# Allegro board T736_DEMO_CORE_AXP8191_LP4_4X_32X1_V0_5-draft.brd (continued)
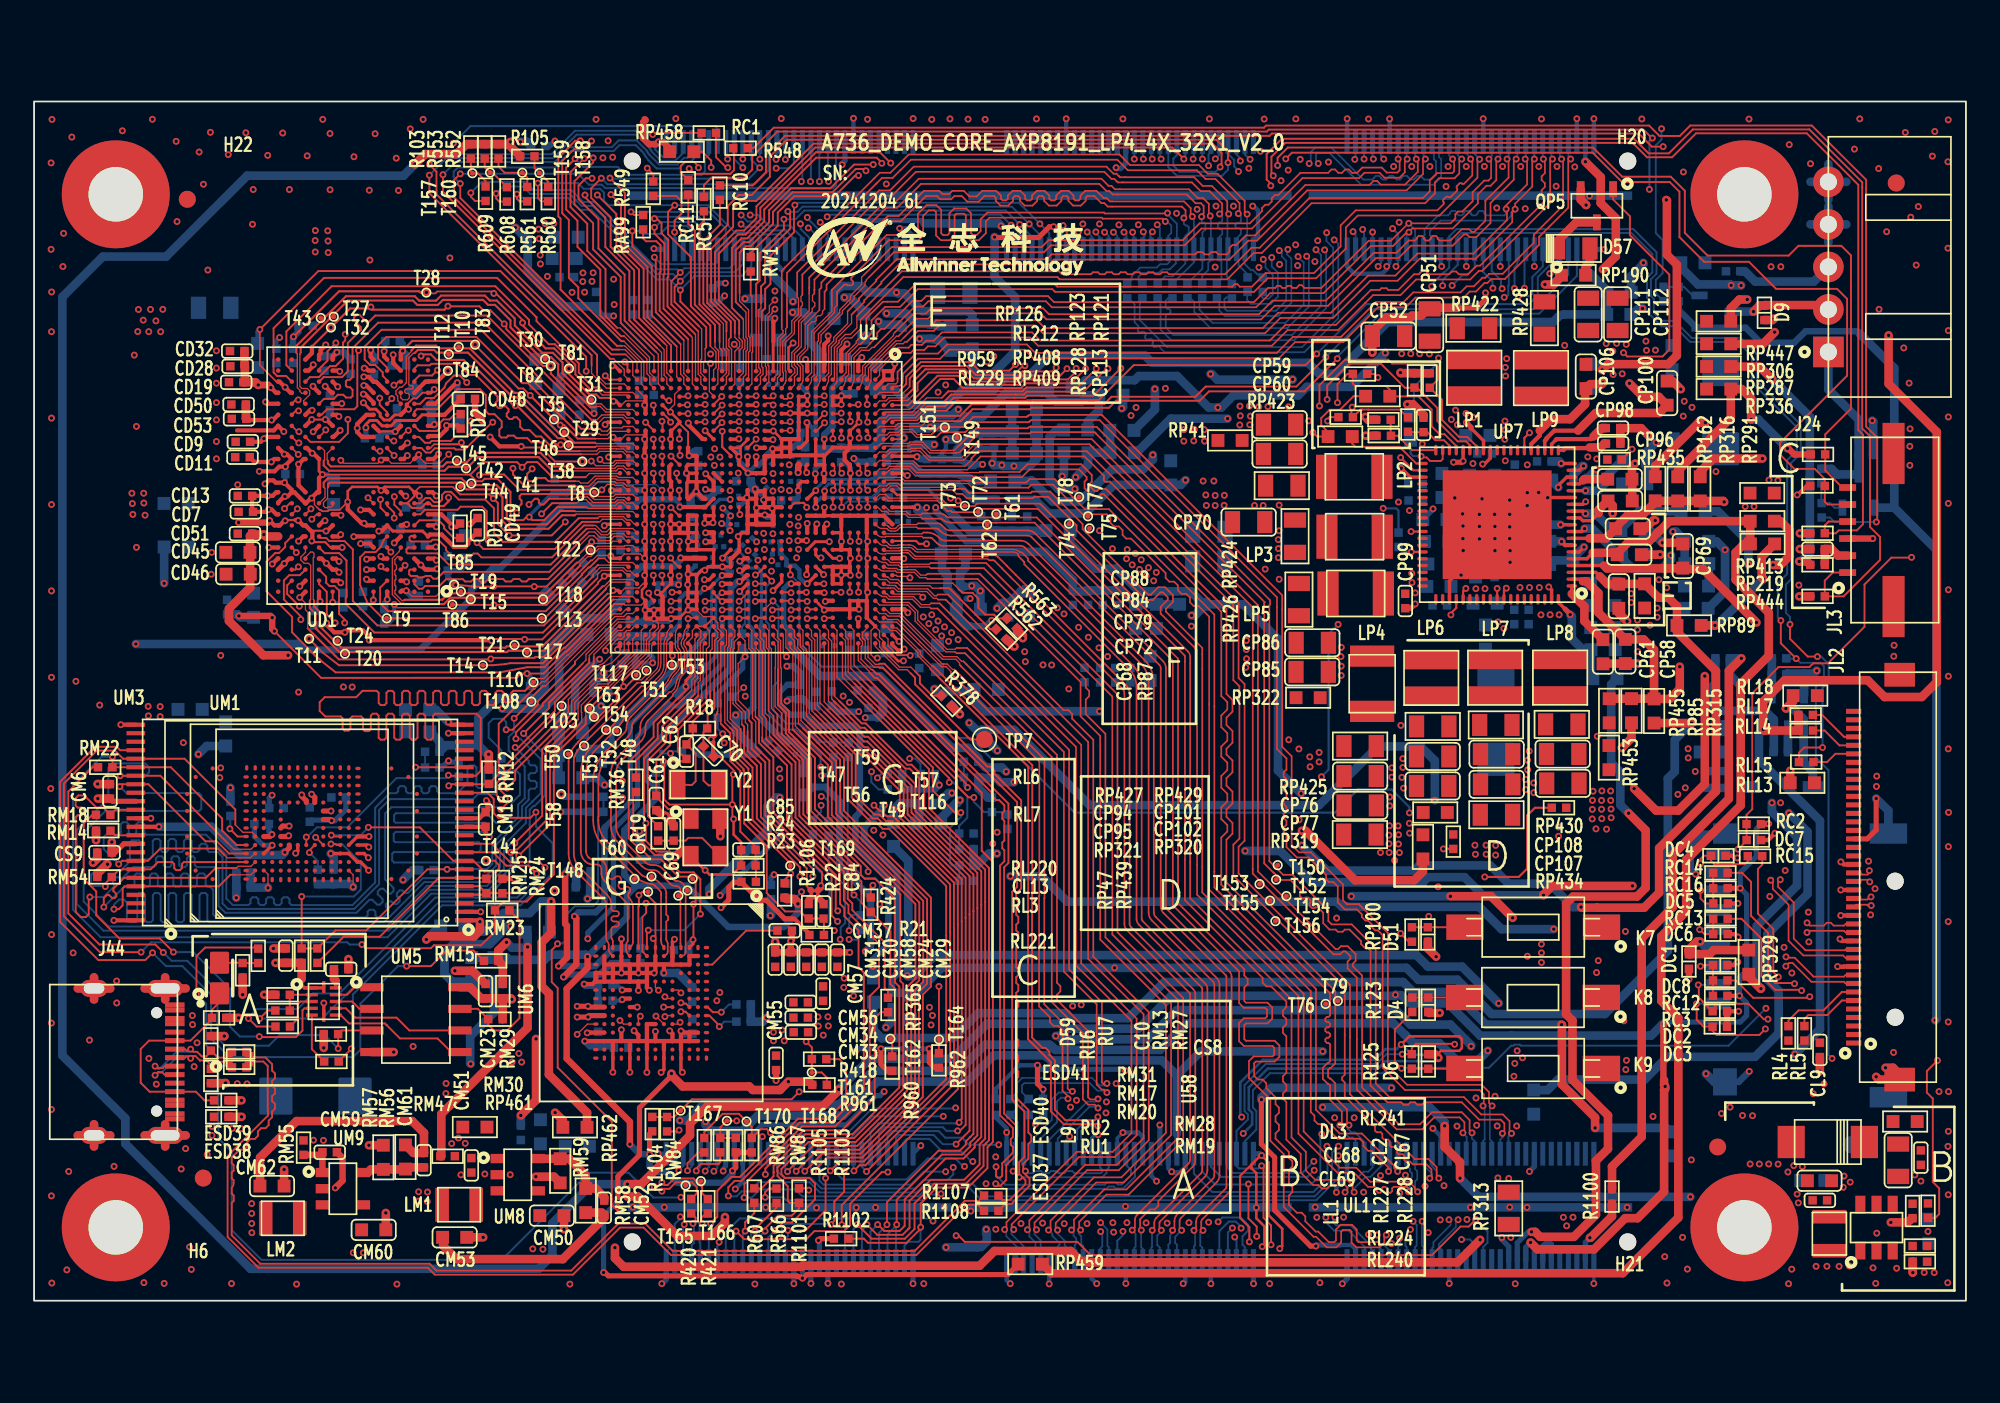
[diagram p0: board, top side]
## Routing (per net, layer and track width the routed paths; a pad name or vN(x,y) marks a point on that pad's centre or on a via; arc(x,y) is an arc through that point) (continued)
  TOP w0.508: v1(22.37,66.81) 22.98,67.41 24.82,67.41 25.4,67.99 R103.2 R553.2 R552.2 27.85,67.99 ; v1(47.28,12.42) 47.28,12.37 46.32,11.42 39.54,11.42 38.54,10.42 38.54,9.73 35.67,6.86 v1(34.86,6.86) ; 27.85,67.99 v1(27.99,68.13) ; 27.85,67.99 28.55,67.29 R105.2 ; v1(87.92,3.43) 88.32,3.02 91.65,3.02 93.48,4.85 94.21,4.85 95.77,6.41 95.77,12.4 95.83,12.46 v1(95.83,12.6) 95.77,12.66 95.77,12.96
  L3 w0.152: 41.05,53.98 41.05,51.5 41.37,51.18 v1(41.41,51.18)
  L3 w0.406: v1(39.75,55.65) 39.77,55.63 39.96,55.63 41.05,54.55 41.05,53.98
  L4 w0.508: 34.08,61.31 30.36,65.04 30.36,66.53 29.65,67.24 28.49,67.24 27.99,67.75 v1(27.99,68.13) ; v1(95.83,12.6) 102.46,12.6 105.02,15.16 110.36,15.16 v1(111.69,16.49) ; v1(67.65,48.24) 67.65,46.9 70.53,44.02 70.53,29.88 74.54,25.87 74.54,25.47 77.38,22.63 77.38,20.69 79.98,18.08 v1(79.98,17.99)
  BOTTOM w0.305: 100.24,24.26 v1(100.24,24.25) ; 100.24,24.26 100.24,25.16 101.19,26.11 101.19,27.74 101.49,28.04 v1(101.91,28.04) ; 100.24,24.26 100.62,23.88 100.62,19.41 100.2,18.99 v1(100.2,17.93) 100.62,17.51 100.62,16.76 100.24,16.38 95.87,16.38 v1(95.72,16.24) ; J48.164 87.64,3.15 v1(87.92,3.43)
  BOTTOM w0.381: 107.26,56.85 107.12,56.99 104.07,56.99 103.4,56.32 101.44,56.32 100.56,57.2 Q7.1 97.67,57.2 96.62,58.24 R144.1
  BOTTOM w0.508: v1(22.37,66.81) 21.71,66.14 12.52,66.14 7.76,61.38 4.04,61.38 1.66,59.01 1.66,14.42 5.37,10.72 5.37,9.23 12.72,1.88 29.65,1.88 30.46,2.69 30.46,4.55 32.76,6.86 v1(34.86,6.86) ; 109.29,46.62 111.76,44.15 111.76,16.56 v1(111.69,16.49) ; 109.29,46.62 109.29,54.82 107.26,56.85 ; 109.29,46.62 Q6.1 ; v1(47.28,12.42) 48.45,13.6 48.48,13.6 48.81,13.93 48.81,13.96 49.08,14.23 53.94,14.23 56,16.28 60.36,16.28 60.65,15.99 64.88,15.99 66.81,17.92 79.92,17.92 v1(79.98,17.99) 80,17.97 80.32,17.97 80.76,17.53 80.84,17.53 80.89,17.48 83.07,17.48 84.96,15.58 86.76,15.58 86.77,15.59 95.01,15.59 95.66,16.24 v1(95.72,16.24) ; v1(67.65,48.24) 67.37,47.96 RP327.2 63.44,47.96 61.76,46.28 59.61,46.28 58.81,47.08 R430.1
  vias: v1(34.08,58.56)
VCC-LCD: length 68.7
  TOP w0.508: v1(108.95,56.75) 108.95,53.91 111.79,51.08 111.79,36.37 110.9,35.49 108.72,35.49 107.73,36.48 102.84,36.48 101.59,35.22 v1(101.59,33.59) 101.65,33.52 RL14.1 103.67,34.43 RL17.2 ; v1(102.26,56.94) 101.58,56.25 RP306.2
  L4 w0.381: v1(108.95,56.75) 108.65,57.06 102.38,57.06 v1(102.26,56.94)
  BOTTOM w0.508: v1(101.59,33.59) 101.34,33.34 101.34,31.8 104.92,28.22 104.92,15.96 v1(103.46,14.5)
VCC-LDO-RTC: length 7.6
  TOP w0.203: 87.96,50.36 UP7.24
  TOP w0.254: 88.46,51.15 88.46,50.87 87.96,50.36
  TOP w0.508: v1(92.18,53.97) 92.09,53.88 91.43,53.88 CP106.2 91.13,53.58 91.13,52.71 90.24,51.82 89.13,51.82 88.46,51.15
  BOTTOM w0.508: RP245.1 91.83,53.62 v1(92.18,53.97)
VCC-LVDS0: length 36.1
  TOP w0.254: v1(42.44,50.14) 42.45,50.14 42.91,50.14 U1.T10
  L3 w0.178: 43.06,53.94 43.06,50.75 v1(42.44,50.14)
  L3 w0.305: 43.06,55.87 43.06,53.94
  L3 w0.508: 43.06,55.87 44.54,57.35 48.34,57.35 48.57,57.57 v1(49.61,57.57) 49.83,57.36 52.1,57.36 55.23,54.23 65.22,54.23 v1(65.85,53.6)
  BOTTOM w0.508: v1(65.85,53.6) 65.85,52.4 RP65.2 ; C13.1 50.84,57.38 49.81,57.38 v1(49.61,57.57)
VCC-MCSI: length 20.4
  TOP w0.178: U1.L12 45.35,49.07 45.35,48.73 v1(45.4,48.68)
  L4 w0.254: v1(52.89,50.33) 51.63,50.33 51.02,49.72 48.83,49.72 48.61,49.94 47.86,49.94 47.28,49.36 45.86,49.36 45.4,48.9 v1(45.4,48.68)
  L4 w0.508: v1(60.4,48.47) 60.4,48.87 59.37,49.9 53.32,49.9 v1(52.89,50.33)
  BOTTOM w0.508: C19.1 51.64,50.16 51.81,50.33 v1(52.89,50.33) ; RP67.2 60.5,48.57 v1(60.4,48.47)
VCC-NAND: length 43.4
  TOP w0.254: v1(24.34,34.02) 24.5,33.86 UM3.24 ; v1(26.75,27.28) 26.53,27.5 CM16.1 26.52,27.86 UM3.12 ; UM3.37 v1(7.34,27.86) ; v1(26.2,22.28) 26.12,22.36 UM3.1
  TOP w0.305: v1(16.31,29.78) 16.49,29.59 UM1.T10 ; v1(14.96,27.34) 14.92,27.29 UM1.M6 ; v1(14.74,26.36) 14.99,26.62 UM1.N5 ; UM1.U9 v1(17.45,28.79)
  TOP w0.508: v1(26.2,22.28) 26.2,21.77 25.85,21.42 23.23,21.42 v1(23.05,21.24)
  L4 w0.508: v1(24.34,34.02) 24.72,34.02 25.23,33.51 25.23,28.79 ; 25.23,28.79 v1(26.75,27.28) 25.68,26.21 25.68,22.63 26.03,22.28 v1(26.2,22.28) ; 25.23,28.79 v1(17.45,28.79)
  BOTTOM w0.508: v1(24.34,34.02) 23.62,34.74 RP330.2 ; v1(14.74,26.36) 14.58,26.2 12.08,26.2 10.42,27.86 v1(7.34,27.86) ; v1(23.05,21.24) 23.84,22.03 RP317.2
VCC-NOR: length 23.1
  TOP w0.508: RM31.2 v1(13.52,17.99) ; v1(28.07,17.72) 28.01,17.78 RM29.2 ; RM28.2 v1(17.02,14.86) ; RM29.2 27.53,17.77 RM30.2 ; RM29.2 CM23.1 26.27,17.78 25.73,18.31 25.62,18.43 UM5.8
  L4 w0.508: v1(28.07,17.72) 27.13,16.78 18.94,16.78 v1(17.02,14.86) 13.89,17.99 v1(13.52,17.99)
VCC-PC: length 65.2
  TOP w0.203: v1(19.66,25.3) 19.66,25.32 19.19,25.79 UM1.AA3 18.99,25.79 UM1.Y4 UM1.W4 v1(17.43,26.29) ; UM1.AA5 19.55,26.79 v1(19.67,26.67) ; U58.12 16.97,18.39 U58.1 15.88,18.39 15.72,18.55 15.72,18.92
  TOP w0.305: UM1.K6 13.86,27.29 v1(13.98,27.41) ; RM24.2 v1(28.21,24.81) ; v1(37.99,43.67) 38.01,43.65 U1.AC23 ; UM3.39 5.28,26.86 4.76,26.35 CS9.1 ; CM6.1 4.62,29.36 UM3.34
  TOP w0.508: v1(26.7,32.12) 26.72,32.11 RM12.2 ; 15.72,18.92 RM13.2 C10.1 v1(14.18,19.86) ; RM47.1 23.93,8.5 23.93,10.98 28.99,16.05 v1(28.99,20.8) ; RM14.2 v1(3.64,27.07) ; RM29.1 27.54,19.72 27.34,19.92 RM15.2 27.28,20.59 v1(27.76,21.07) ; CM6.1 v1(3.75,29.52) ; v1(4.31,25.66) 4.28,25.66 3.72,25.1 RM54.2 ; CS9.1 v1(4.57,26.97)
  BOTTOM w0.305: v1(13.98,27.41) 13.8,27.59 CM9.1
  BOTTOM w0.381: v1(37.99,43.67) 37.99,43.55 37.61,43.17 35.7,43.17 34.97,42.44 34.97,42.2 ; R15.1 v1(30.95,28.74)
  BOTTOM w0.508: v1(17.43,26.29) 17.6,26.12 CM17.1 ; v1(21.68,24.74) 22.26,25.32 RM26.2 ; RP62.2 29,21.52 29,20.8 v1(28.99,20.8) 28.95,20.75 28.08,20.75 v1(27.76,21.07) ; 34.97,42.2 34.98,42.2 34.98,41.6 33.5,40.12 32.06,40.12 29.99,38.04 CM18.1 29.99,35.93 29.48,35.43 27.26,35.43 26.11,34.28 26.11,32.65 ; 26.11,32.65 24.2,32.65 RM16.2 23.82,32.88 RP328.2 ; 26.11,32.65 26.64,32.12 v1(26.7,32.12)
  vias: v1(16.42,9.44) v1(17,9.43)
VCC-PD: length 114.4
  TOP w0.254: U1.T9 42.96,50.62 v1(43.41,50.62) ; v1(103.59,47.37) 103.62,47.4 103.66,47.4 104.16,47.9 RL7.2
  TOP w0.305: v1(59.9,63.14) 59.65,63.14 59.02,62.5 56.46,62.5 v1(56.43,62.53)
  TOP w0.381: v1(103.01,50.1) 103.06,50.1 103.41,49.75 RL6.2
  TOP w0.508: RP316.2 96.57,48.78 99.68,51.89 RP336.2 100.33,53.59 100.88,53.04 v1(100.88,51.8) ; RL220.2 v1(103.74,45.12) ; RL221.2 v1(103.7,41.41)
  L3 w0.381: v1(43.41,50.62) 43.58,50.62 43.93,50.96 43.93,53.99
  L3 w0.508: v1(52.02,56.55) 48.86,56.55 47.84,55.54 46.52,55.54 46.07,55.98 45.11,55.98 43.93,54.8 43.93,53.99 ; v1(100.88,51.8) 100.88,55.77 99.43,57.22 99.43,57.23 93.26,63.41 82.38,63.41 81.23,62.26 81.01,62.26 81,62.26 80.54,62.26 80.54,62.26 79.76,62.26 79.26,62.77 79.26,63.43 78.69,64 74.11,64 72.3,62.19 67.84,62.19 67.21,61.56 60.01,61.56 59.69,61.88 57.1,61.88 56.93,62.05 56.91,62.05 v1(56.43,62.53) ; v1(103.7,41.41) 103.86,41.41 104.36,41.92 104.36,44.49 v1(103.74,45.12) 103.59,45.27 v1(103.59,47.37) 103.59,49.52 v1(103.01,50.1)
  BOTTOM w0.203: J47.107 60.14,62.9 v1(59.9,63.14)
  BOTTOM w0.508: v1(100.88,51.8) 101.31,51.8 v1(103.01,50.1) ; v1(52.02,56.55) C12.1 53.28,56.45 53.69,55.87 C11.1 53.96,55.96 RP344.2 55.12,54.76 55.53,54.35 56.18,54.35 57.64,55.81 57.64,58.98 56.43,60.2 v1(56.43,62.53)
VCC-PE: length 57.5
  TOP w0.203: U1.J10 v1(46.42,50.65)
  BOTTOM w0.305: 91.14,60.67 J47.3
  BOTTOM w0.381: C14.1 47.44,54.19 46.9,53.65 46.9,52.35 46.91,52.35 46.91,51.81 46.91,51.81 46.91,51.42 46.9,51.41 46.9,51.39 46.42,50.91 v1(46.42,50.65)
  BOTTOM w0.508: 91.14,60.67 92.41,59.4 RP75.2 92.4,59.28 92.4,58.31 RP341.2 89.9,57.98 arc(89.71,57.94) 89.54,57.83 89.24,57.53 79.52,57.53 76.49,54.5 75.49,54.5 74.85,55.14 67.5,55.14 67.49,55.15 65.68,55.15 65.25,55.57 59.65,55.57 58.44,54.36 57.16,54.36 56.31,53.52 54.54,53.52 53.7,52.68 51.46,52.68 50.54,53.6 RP335.2 49.35,53.6 48.76,54.19 C14.1
VCC-PG: length 123.7
  TOP w0.127: U1.V10 41.92,50.15 v1(42.42,50.65)
  L3 w0.127: v1(42.42,50.65) 42.47,50.65 42.79,50.97 42.79,53.51 42.56,53.74
  L3 w0.254: 42.56,53.74 42.56,55.12 41.77,55.91 v1(41.77,58.9)
  L3 w0.305: v1(63.57,66.61) 51.12,66.61 50.17,65.65 v1(50.07,65.65)
  L3 w0.508: v1(41.77,58.9) 41.83,58.9 42.91,59.99 52.37,59.99 54.89,57.47 57.1,57.47 57.72,56.84 66.75,56.84 v1(69.12,54.48) ; v1(73.94,54.16) 73.94,56.63 78.86,61.56 81.57,61.56 82.64,62.63 92.5,62.63 93.83,61.3 93.83,60.85 98.81,55.87 98.81,55.78 v1(98.81,48.74)
  L4 w0.33: v1(50.07,65.65) 46.7,62.28 43.56,62.28 41.8,60.51 41.8,58.97 41.77,58.94 v1(41.77,58.9)
  L4 w0.508: v1(98.81,48.74) 99.94,47.61 99.94,44.84 99.35,44.25 v1(99.35,44.14)
  BOTTOM w0.305: J47.92 64.14,66.86 63.84,66.56 63.62,66.56 v1(63.57,66.61)
  BOTTOM w0.508: v1(41.77,58.9) 42.6,58.9 C15.1 ; RP334.2 99.35,41.7 v1(99.35,44.14) 98.84,44.65 RP139.2 ; v1(73.94,54.16) 73.92,54.14 69.52,54.14 69.19,54.48 v1(69.12,54.48)
VCC-PH: length 103.1
  TOP w0.178: U1.AC9 39.26,50.65 39.26,50.66
  TOP w0.254: v1(38.44,51.6) 38.44,51.51 39.26,50.69 39.26,50.66
  TOP w0.508: RP447.2 99.68,58.35 100.19,58.86 v1(100.65,58.86)
  L3 w0.508: v1(100.65,58.86) 99.57,58.86 92.6,65.83 92.6,67.55 91.34,68.81 48.67,68.81 47.94,68.07 ; 47.94,68.07 47.15,68.86 37.37,68.86 37.1,69.13 36.01,69.13 35.8,68.92 35.21,68.92 35.21,68.92 33.27,68.92 33.25,68.89 31.32,68.89 v1(30.6,68.18) ; 47.94,68.07 47.94,67.25 v1(47.47,66.78)
  L4 w0.152: 37.9,54.39 37.91,54.38 37.91,52.63 38.04,52.5 38.04,51.99 v1(38.44,51.6)
  L4 w0.203: 37.9,54.39 35.11,57.17 35.11,57.79
  L4 w0.508: v1(30.6,68.18) 31.09,67.69 31.09,65.33 35.11,61.31 35.11,57.79
  BOTTOM w0.305: v1(30.6,68.18) 30.31,67.89 C9.1 ; v1(47.47,66.78) 47.47,66.84 47.64,67.01 J47.138
VCC-PI: length 49.2
  TOP w0.203: U1.P25 43.92,42.26 v1(43.41,41.75)
  L4 w0.203: v1(44.23,37.3) 44.06,37.48 44.05,37.48 43.83,37.7 43.83,41.33 v1(43.41,41.75)
  L4 w0.305: v1(49.28,19.66) 49.34,19.6 49.61,19.6 50.78,18.42 50.78,17.72 50.64,17.58 50.64,13.06 49.94,12.36 v1(49.94,12.3)
  BOTTOM w0.305: 44.26,36.22 43.79,35.74 43.79,35.05 44.18,34.65 ; J48.21 42.14,9.7 42.78,10.34 47.73,10.34 49.45,12.06 49.7,12.06 v1(49.94,12.3)
  BOTTOM w0.381: v1(44.23,37.3) 44.62,37.3 45,36.92 C268.1 44.26,36.22 ; 44.18,34.65 44.39,34.45 45.24,34.45 45.89,33.8 48.09,33.8 48.51,33.37 48.51,28.71 48.26,28.45 48.26,26.76 50.19,24.82 50.19,20.97 49.28,20.06 v1(49.28,19.66)
  BOTTOM w0.508: RP337.2 49.28,19.01 v1(49.28,19.66)
VCC-PJ: length 94.2
  TOP w0.203: U1.M10 45.04,50.15 45.42,50.53 45.42,51.61 v1(45.41,51.62)
  TOP w0.508: RP162.2 95.24,49.07 97.79,51.62 v1(98.19,51.62) ; v1(91.14,66.96) 92.04,66.06 92.04,64.53 92.93,63.64 92.93,61.4 v1(92.17,60.64)
  L3 w0.508: v1(98.19,51.62) 98.19,55.62 94.65,59.16 93.65,59.16 v1(92.17,60.64) 91.17,61.63 82.66,61.63 81.17,60.15 78.74,60.15 74.79,56.2 74.79,52.53 72.8,50.54 70.49,50.54 65.44,55.6 57.12,55.6 56.58,56.14 54.3,56.14 51.83,58.6 48.32,58.6 47.82,58.1 v1(44.57,58.1)
  BOTTOM w0.254: C132.1 45.8,51.23 ; 45.8,51.23 45.8,51.3 45.93,51.42 45.93,54.15 46,54.23 ; 45.8,51.23 v1(45.41,51.62) ; J47.4 v1(91.14,66.96)
  BOTTOM w0.508: v1(44.57,58.1) 45.23,58.1 RP340.2 45.59,56.35 46.21,55.73 RP338.2 46.21,54.43 46,54.23
VCC-PK: length 101.7
  TOP w0.305: v1(72.11,11.83) 72.11,9.21 72.89,8.43 72.89,5.32 74.99,3.21 v1(75.31,3.21)
  TOP w0.381: U1.M12 44.92,49.1 44.9,49.07 44.89,48.73 v1(44.89,48.68)
  L4 w0.254: v1(44.89,48.68) 44.89,49.21 45.59,49.91 47.25,49.91 47.63,50.3 49.97,50.3 51.02,51.35 v1(52.65,51.35)
  L4 w0.508: v1(79.74,12.51) 78.76,12.51 78.25,13.02 78.25,18.72 72.99,23.99 72.99,25.49 69.29,29.19 69.29,43.45 69.25,43.49 69.25,43.51 63.51,49.24 61.73,49.24 60.25,50.72 54.52,50.72 53.89,51.35 v1(52.65,51.35)
  BOTTOM w0.254: 76.72,3.27 77.39,3.27 77.64,3.02 J48.124
  BOTTOM w0.305: 76.72,3.27 75.37,3.27 v1(75.31,3.21)
  BOTTOM w0.508: RP114.2 61.9,51.68 62.56,52.34 RP339.2 61.93,53.23 61.54,52.84 60.04,52.84 59.56,53.32 RP343.2 59.24,53.4 57.15,53.4 55.73,51.98 54.76,51.98 54.21,51.43 54.19,51.43 54.11,51.35 v1(52.65,51.35) 52.58,51.28 51.68,51.28 C18.1 ; v1(72.11,11.83) 72.11,11.94 72.68,12.51 v1(79.74,12.51)
VCC-PL: length 225.1
  TOP w0.127: v1(42.38,42.67) 42.44,42.67 U1.T24
  TOP w0.305: v1(34.3,5.83) 34.3,7.3 35.57,8.57 35.57,11.35 37.45,13.23 37.45,13.25 ; R960.2 50.15,13.51 49.75,13.9 v1(49.75,14.81) ; v1(33.46,1.66) 33.54,1.66 33.74,1.46 37.07,1.46 37.07,1.46 44.83,1.46 44.87,1.41 45,1.41 45.1,1.32 v1(45.14,1.32) 45.18,1.32 45.4,1.54 57.21,1.54 RP459.2 ; R962.2 52.9,13.71 52.6,14.01 52.6,14.8 v1(52.59,14.81)
  TOP w0.508: v1(80.27,54.56) 80.31,54.53 RP123.2 81.1,54.53 RP121.2 ; RU6.2 v1(12.26,17.99) ; RP85.2 93.85,33.07 v1(93.28,32.5) ; R961.2 45.54,12.88 v1(44.31,12.88) 43.82,12.39 42.23,12.39 42.02,12.6 38.1,12.6 37.45,13.25 v1(37.45,13.36)
  L3 w0.508: v1(48.25,14.65) 49.05,15.44 59.9,15.44 v1(60.03,15.57) ; v1(83.51,52.36) 83.5,52.36 83.04,52.36 83.03,52.36 82.48,52.36 v1(80.27,54.56)
  L4 w0.178: 43.26,36.6 43.26,36.67 42.75,37.18 42.75,42.51 42.59,42.67 v1(42.38,42.67)
  L4 w0.254: v1(46.26,30.87) 46.26,30.79 46.71,30.35 46.71,28.78 46.45,28.52 44.86,28.52 44.85,28.54
  L4 w0.305: 43.26,36.6 43.26,33.32 44.85,31.73 44.85,26.42 v1(43.48,25.05) 44,24.53 44,17.31 46.13,15.18 46.13,14.55
  L4 w0.508: v1(44.31,12.88) 44.45,12.88 46.22,14.65 v1(48.25,14.65) ; v1(84.43,14.96) 84.43,15.17 84.69,15.44 84.69,23.36 86.77,25.43 86.77,27.65 86.78,27.67 86.78,27.73 88.66,29.61 88.66,29.61 91.3,32.26 93.04,32.26 v1(93.28,32.5) 93.28,34.5 92.38,35.39 92.38,38.6 91.72,39.26 91.72,47.9 91.18,48.44 86.46,48.44 85.86,49.04 85.86,49.42 85.12,50.16 85.12,52.15 85.1,52.18 85.1,52.36 84.74,52.72 83.86,52.72 83.51,52.37 v1(83.51,52.36) ; v1(12.26,17.99) 12.64,17.99 13.26,17.37 13.27,17.37 16.55,14.08 19.43,14.08 21.2,15.85 24.97,15.85 28.33,12.48 36.8,12.48 37.45,13.14 v1(37.45,13.36)
  BOTTOM w0.254: v1(46.26,30.87) 46.3,30.9 46.7,30.9 46.96,31.15 R963.2 ; J48.34 v1(45.14,1.32)
  BOTTOM w0.305: v1(34.3,5.83) 33.46,4.99 v1(33.46,1.66) ; v1(48.25,14.65) 48.42,14.81 v1(49.75,14.81) v1(52.59,14.81) ; C20.1 43.3,24.87 v1(43.48,25.05)
  BOTTOM w0.508: v1(84.43,14.96) 84.43,15.01 83.21,16.23 80.86,16.23 80.02,17.08 67.14,17.08 65.42,15.37 60.4,15.37 60.2,15.57 v1(60.03,15.57)
VCC-PLL: length 15
  TOP w0.305: U1.Y25 40.43,42.65 v1(40.42,42.64)
  BOTTOM w0.178: 39.65,39.47 39.8,39.63 39.8,41.37 39.82,41.39 39.82,42.05 40.27,42.5 40.28,42.5 v1(40.42,42.64)
  BOTTOM w0.254: C50.1 39.39,39.11 39.65,39.36 39.65,39.47
  BOTTOM w0.305: R70.2 33.95,32.97 33.95,33.55 39.28,38.88 C50.1
  BOTTOM w0.508: R70.2 32.61,32.43 RP138.2
VCC-PM: length 72.4
  TOP w0.254: U1.V25 41.87,42.65 41.5,42.28 v1(41.44,42.28)
  TOP w0.305: v1(41.03,7.64) 41.22,7.83 R1105.2 41.23,8.72 R1103.2 ; v1(36.16,8.61) 36.16,8.62 36.16,9.8 R1104.2
  TOP w0.381: v1(35.01,9.2) 35.01,10.52 31.29,14.24 31.29,18.34 32.52,19.56 v1(32.52,20.23)
  TOP w0.508: v1(44.88,23.33) 44.88,23.41 44.67,23.62 44.23,23.62 44.17,23.68 44.11,23.68 R1106.2
  BOTTOM w0.254: J48.17 41.14,7.75 v1(41.03,7.64)
  BOTTOM w0.381: 35.33,24.4 34.68,25.05 34.68,27.66 36.52,29.51 C21.1 36.23,30.49 36.14,30.49 35.97,30.67 35.97,30.73 35.95,30.75 35.95,32.21 40.94,37.21 40.94,41.9 41.32,42.28 v1(41.44,42.28) ; 35.33,24.4 35.33,24.33 34.83,23.83 34.83,22.55 v1(32.52,20.23) ; 35.33,24.4 38.36,24.4 40.79,21.97 44.05,21.97 44.88,22.8 v1(44.88,23.33) ; v1(41.03,7.64) 41.03,7.46 40.51,6.94 37.78,6.94 37.15,7.57 36.5,7.57 36.16,7.91 v1(36.16,8.61) 35.6,8.61 v1(35.01,9.2)
  BOTTOM w0.508: v1(32.52,20.23) 32.41,20.34 30.29,20.34 29.99,20.04 27.91,20.04 27.78,20.17 RP36.2 27.01,20.18 RP124.2
VCC-RTC: length 244.8
  TOP w0.127: v1(78.95,54.27) 78.74,54.48 RP126.2
  TOP w0.254: 44.54,22.45 44.67,22.45 45.55,21.57 R21.1 ; U1.Y30 40.47,40.15 v1(40.42,40.1)
  TOP w0.305: 41.56,24.6 41.12,24.6 40.82,24.29 40.82,23.56 40.36,23.11 v1(40.36,23.1) ; 41.56,24.6 R23.1 ; 41.56,24.6 42.61,23.54 43.01,23.54 44.1,22.45 44.54,22.45
  TOP w0.508: v1(82.87,10.28) 82.87,9.05 83.78,8.14 v1(83.78,7.2) ; v1(78.21,51.96) 78.38,51.79 RP408.2 ; v1(95.89,64.71) 95.93,64.67 95.93,61.49 96.52,60.91 96.52,55.57 96.01,55.06 92.46,55.06 v1(92.12,54.72)
  L3 w0.381: v1(95.89,64.71) 95.89,63.64 97.98,61.55 103.7,61.55 104.21,62.06 106.69,62.06
  L3 w0.508: 106.69,62.06 111.52,57.23 111.52,17.26 111.1,16.84 111.1,14.87 106.97,10.74 101.85,10.74 97.31,6.2 v1(97.31,6.11) ; v1(78.95,54.27) 78.21,53.53 v1(78.21,51.96)
  L4 w0.381: v1(40.36,23.1) 40.36,21.75 40.18,21.57
  L4 w0.508: v1(39.45,10.53) 38.99,10.99 38.99,13.64 38.48,14.15 32.48,14.15 31.35,15.27 31.35,18.48 31.86,18.99 31.86,20.61 v1(32.53,21.28) 33.44,21.28 34.07,20.65 39.26,20.65 40.18,21.57 ; v1(75.71,14.66) v1(75.71,11.38) ; v1(92.12,54.72) 90.58,54.72 89.36,55.94 83.86,55.94 81.73,53.81 79.45,53.81 78.99,54.27 v1(78.95,54.27)
  BOTTOM w0.305: 67.14,9.82 J48.101 ; v1(32.53,21.28) 32.53,21.63 34.04,23.14 34.04,27.25 34.04,27.71 35.44,29.11 35.44,29.19 35.45,29.2 35.45,33.18 37.26,34.98 C51.1 37.31,34.96 37.96,34.96 40.42,37.42 v1(40.42,40.1)
  BOTTOM w0.508: v1(92.12,54.72) 91.8,55.04 RP245.2 ; v1(75.71,14.66) 68.55,14.66 67.14,13.25 ; 67.14,13.25 66.27,14.13 59.74,14.13 59.54,14.32 59.51,14.32 59.41,14.43 56.39,14.43 54.84,12.88 49.54,12.88 47.54,10.89 42.53,10.89 41.62,9.98 39.82,9.98 39.45,10.34 v1(39.45,10.53) ; 67.14,13.25 67.14,9.82 ; v1(75.71,11.38) 81.99,11.38 82.87,10.49 v1(82.87,10.28) ; v1(83.78,7.2) 84.87,6.11 v1(97.31,6.11)
VCC-SYS-5V:
  vias: v1(88.56,20.97) v1(88.56,20.45) v1(88.56,19.89) v1(89.85,4.9) v1(90.04,4.4) v1(90.41,4.91)
VCC-UFS: length 20.4
  TOP w0.114: v1(36.99,17.26) UM6.E8 ; UM6.C8 38.3,17.47 38.05,17.47 v1(38,17.51) ; UM6.C9 38.28,16.99 v1(38,16.99)
  TOP w0.254: UM6.K8 v1(35.44,17.26)
  TOP w0.305: v1(31.91,16.68) v1(32.54,16.68) 32.63,16.76 UM6.P9 UM6.N9 ; v1(31.91,17.31) v1(32.54,17.31) 32.59,17.26 UM6.P8 UM6.N8
  TOP w0.508: RM56.2 22.29,8.69 CM61.2 22.91,9.87 22.22,10.56 15.42,10.56 13.28,8.42 13.28,6.75 CM62.1
  vias: v1(12.78,5.71) v1(12.79,5.13) v1(12.79,4.54) v1(12.79,4) v1(24.53,9.24) v1(24.93,9.56) v1(25.33,9.25)
VCC-UFS-IO: length 43.5
  TOP w0.203: v1(39.38,42.39) 39.66,42.39 U1.AB25
  TOP w0.381: v1(30.81,19.67) 31.31,20.17 31.31,22.05 31.2,22.16 v1(31.2,25.09)
  TOP w0.508: v1(29.49,15.39) 29.49,11.79 v1(28.6,10.89)
  L4 w0.305: v1(39.38,42.39) 39.3,42.39 39.23,42.31 39.21,42.31 38.96,42.05 38.96,42.04 38.46,41.55 38.24,41.55 37.98,41.28 37.98,39.88
  L4 w0.381: 37.98,39.88 37.98,39.16 36.97,38.14 36.97,36.37 34.01,33.41 34.01,27.9 v1(31.2,25.09)
  L4 w0.508: v1(30.81,19.67) 29.49,18.36 v1(29.49,15.39)
  BOTTOM w0.381: v1(30.81,19.67) 32.75,19.67 32.75,19.68 32.98,19.68 34.04,20.74 RM38.2
  BOTTOM w0.508: v1(28.6,10.89) RM53.2 ; v1(31.2,25.09) 31.36,25.24 CM1.1 31.85,24.34 CM2.1
VCC-VDDQ: length 19.3
  TOP w0.114: UD1.W1 22.82,53.38 22.48,53.04 22.26,53.04 21.9,52.69
  TOP w0.178: UD1.U3 21.19,52.08 20.88,51.77 20.57,51.77 20.34,52 20.34,52.15 20.08,52.41 19.73,52.41 v1(19.35,52.79)
  TOP w0.203: UD1.W1 23.31,53.38 v1(23.51,53.57)
  TOP w0.254: UD1.W12 14.21,53.38 v1(13.91,53.68) ; UD1.D8 17.75,43.63 v1(17.92,43.47) ; UD1.U10 16.21,52.35 v1(16.33,52.35) ; UD1.AA5 19.64,54.68 19.5,54.82 v1(19.4,54.82) ; UD1.D1 23.53,43.63 v1(23.63,43.53) ; v1(19.53,42.41) 19.62,42.33 UD1.B5 ; v1(19.54,43.59) 19.58,43.63 UD1.D5 ; v1(21.16,44.55) UD1.F3 ; UD1.U3 21.87,52.4 v1(22,52.4) 21.9,52.5 21.9,52.69 ; UD1.AA10 16.13,54.68 16.39,54.94 16.39,55.01 v1(16.4,55.02) ; v1(17.11,53.76) 17.48,53.38 UD1.W8 ; v1(21.1,55.61) 21.1,55.12 UD1.AA3 ; v1(19.37,53.81) 19.52,53.81 UD1.W5 ; UD1.B3 21.82,42.33 v1(21.89,42.26) ; UD1.AA8 17.92,54.68 v1(17.96,54.63) ; v1(15.54,44.65) 15.82,44.93 UD1.F10 ; v1(15.61,42) UD1.B10 ; v1(18.02,42.2) 17.89,42.33 UD1.B8 ; UD1.D12 14.32,43.63 v1(13.99,43.31)
  TOP w0.406: v1(13.17,53.83) 13.76,53.83 v1(13.91,53.68)
  TOP w0.508: v1(13.17,53.83) 13.01,53.99 CD19.1 12.38,54.07 CD28.1 12.36,54.95 CD32.1
VCC-WIFI: length 1.4
  BOTTOM w0.305: 43.94,60.59 43.64,60.89 J47.153
VCCIO-WIFI: length 1.3
  BOTTOM w0.508: RP217.2 98.4,42.03 RP333.2
VDD08-HDMI: length 11.9
  TOP w0.203: U1.L16 45.44,47.15 45.9,47.61 45.9,47.61 v1(45.93,47.63)
  BOTTOM w0.178: v1(45.93,47.63) 45.93,47.71 46.47,48.26 46.56,48.26 46.57,48.27 47.07,48.27 47.08,48.28 49.13,48.28 49.17,48.32 49.3,48.32 49.54,48.55
  BOTTOM w0.508: 49.54,48.55 50.42,48.55 50.93,49.06 51.68,49.06 52.11,48.63 C248.1 C247.1 C250.1 C249.1 55.16,48.18 RP456.2
VDD08-UFS: length 8.2
  TOP w0.203: v1(39.39,41.88) 39.65,41.88 U1.AB26
  BOTTOM w0.254: v1(39.39,41.88) 39.12,41.6 38.28,41.6 37.94,41.26 37.94,39.8 37.2,39.06
  BOTTOM w0.508: RP48.2 34,39.07 CM3.1 CM4.1 37.2,39.06
VDD18-DRAM: length 207
  TOP w0.203: U1.AB16 39.43,46.66
  TOP w0.254: 39.43,46.66 v1(37.94,46.66)
  TOP w0.508: RP89.2 98.75,39.7 98.75,39.7 v1(98.75,39.7) ; v1(84.96,3.58) 83.63,2.26 61.9,2.26 61.82,2.34 61.49,2.34 60.9,2.92 56.42,2.92 55.56,2.06 45.18,2.06 45.12,2 34.64,2 34.13,2.51 v1(34.13,3.12) ; RP444.2 101.5,43.73 101.5,42.53 v1(101.59,42.44)
  L4 w0.508: v1(5.98,38.61) 2.71,35.33 2.71,23.08 5.71,20.08 5.71,9.33 12.78,2.26 32.26,2.26 33.12,3.12 v1(34.13,3.12) ; v1(84.96,3.58) 85.32,3.95 85.32,7.85 86.07,8.6 87.32,8.6 87.95,9.23 87.95,11.27 86.22,13 86.22,16.05 91.11,20.94 91.48,20.94 93.21,22.68 93.21,24.6 98.24,29.63 98.24,35.48 97.46,36.26 97.46,38.09 98.75,39.38 98.75,39.7 v1(98.75,39.7)
  BOTTOM w0.254: 37.63,47.12 37.94,46.81 v1(37.94,46.66)
  BOTTOM w0.356: 35.98,47.12 35.62,47.12 CD44.1 34.44,46.74 CD43.1 34.38,46.75
  BOTTOM w0.381: 37.63,47.12 35.98,47.12
  BOTTOM w0.406: 15.84,38.27 22.69,38.27 25.69,41.27 25.69,41.8 26.97,43.07 27.38,43.07 31.06,46.75 34.38,46.75
  BOTTOM w0.508: v1(98.75,39.7) 98.85,39.7 v1(101.59,42.44) ; 15.84,38.27 15.49,38.61 v1(5.98,38.61)
VDD18-LPDDR: length 169.6
  TOP w0.178: v1(19.49,51.32) 19.49,51.51 19.73,51.75 20.13,51.75 20.45,51.43 UD1.T4 20.97,51.43 21.29,51.75 22.47,51.75 22.8,52.08 UD1.U1 ; UD1.G4 21.08,45.25 22.83,45.25 UD1.F1
  TOP w0.254: UD1.G4 20.41,45.24 v1(20.26,45.24) ; UD1.U12 14.04,51.77 v1(13.95,51.77) 12.54,51.77 CD53.1 ; v1(17.09,45.86) 17.02,45.86 UD1.G9 ; v1(16.4,51.08) UD1.T9 ; UD1.U1 24.12,52.08 25.06,53.02 CD48.1 ; CD49.1 26.02,45.16 25.51,44.66 25.51,44.5 25.33,44.32 24.66,44.32 23.94,45.04 23.26,45.04 UD1.F1
  TOP w0.508: v1(98.16,36.72) 98.16,30.37 96.6,28.81 95.29,28.81 v1(94,30.11) ; CD53.1 12.44,51.87 CD50.1 ; v1(14.93,37.94) 13.47,37.94 11.45,39.96 11.45,40.68 12.7,41.94 CD46.1 12.7,43.98 CD45.1 12.69,44.96 CD51.1 12.87,45.04 v1(13.51,45.04) 13.62,44.93 UD1.F12 ; v1(102.17,43.25) 102.6,43.25 103.11,43.76 103.11,45.32 102.6,45.83 RP219.2
  L3 w0.508: v1(94,30.11) 91.24,32.87 87.56,32.87 81.97,27.28 81.97,25.12 80.03,23.17 77.16,23.17 76.79,23.54 64.9,23.54 64.47,23.97 63.39,23.97 63.39,23.97 52.12,23.97 52.1,23.99 52.07,24.03 52.04,24.03 49.63,26.45 42.66,26.45 40.96,24.75 36.34,24.75 31.53,29.56 31.53,31.74 27.87,35.4 17.49,35.4 14.95,37.94 v1(14.93,37.94)
  L4 w0.305: v1(13.95,51.77) 14.03,51.77 14.16,51.65 14.39,51.65 15.72,51.65 16.28,51.08 v1(16.4,51.08) 16.78,50.7 19.05,50.7 19.49,51.15 v1(19.49,51.32) ; v1(20.26,45.24) 19.15,45.24 18.79,45.6 17.78,45.6 17.52,45.86 v1(17.09,45.86) 16.4,45.17 13.63,45.17 v1(13.51,45.04)
  L4 w0.508: v1(13.51,45.04) 12.62,45.93 12.62,48.99 14.07,50.44 14.07,51.66 v1(13.95,51.77) ; v1(98.16,36.72) 98.16,37.87 102.17,41.88 v1(102.17,43.25)
  BOTTOM w0.254: v1(20.26,45.24) 20.58,45.24 CD47.1
  BOTTOM w0.305: v1(19.49,51.32) 19.49,50.87 19.44,50.81 CD52.1
VDD-COMB0: length 35.9
  TOP w0.254: U1.K20 45.92,45.6 v1(45.99,45.66) ; U1.L20 v1(45.42,45.7)
  TOP w0.305: v1(58.95,13.84) 58.95,12.75 v1(59.28,12.43)
  L4 w0.508: v1(60.79,35.97) 60.79,34.93 62.41,33.3 62.41,15.23 v1(64.12,13.53)
  BOTTOM w0.254: v1(58.95,13.84) 57.89,13.84 56.5,12.45 R965.2 ; R964.2 v1(59.28,12.43)
  BOTTOM w0.305: v1(64.12,13.53) 64.04,13.61 59.19,13.61 v1(58.95,13.84)
  vias: v1(59.28,37.38) v1(59.78,37.37)
VDD-CPUB: length 0.5
  TOP w0.254: v1(45.38,44.69) 44.88,44.69 v1(44.87,44.68)
  vias: v1(44.4,45.64) v1(44.36,44.68) v1(44.8,43.68) v1(44.91,46.06) v1(44.89,45.55) v1(44.91,44.17) v1(52.24,40.2) v1(52.57,39.81) v1(52.74,40.33) v1(52.97,39.45) v1(53.11,39.96) v1(53.32,39.08) v1(53.49,39.61) v1(53.73,38.76) v1(53.91,39.27) v1(54.29,38.87) v1(79.1,26.35) v1(79.63,27.92) v1(79.6,27.37) v1(79.6,26.86) v1(79.61,26.35) v1(79.93,25.88) v1(80.14,27.91) v1(80.17,27.39) v1(80.16,26.85) v1(80.21,26.34)
VDD-CPUBFB: length 60.2
  TOP w0.114: U1.N24 44.42,42.68 v1(44.44,42.67)
  TOP w0.127: UP7.61 83.56,40.73 83.24,40.41 v1(83.24,40.32)
  L3 w0.127: v1(80.8,28.68) 80.93,28.68 83.68,31.43 83.68,37.57 83.24,38 v1(83.24,40.32)
  BOTTOM w0.114: 44.96,41.89 44.96,42.15 44.48,42.63 v1(44.44,42.67)
  BOTTOM w0.127: v1(80.8,28.68) 80.8,29.01 79.77,30.05 77.78,30.05 76.42,28.69 61.14,28.69 57.99,31.84 56.26,31.84 55.02,33.08 54.02,33.08 49.83,37.27 46.28,37.27 44.96,38.59 44.96,41.89
VDD-CPUL: length 4.4
  BOTTOM w0.406: v1(55.09,42.03) 54.98,42.03 54.95,41.99 C45.1
  BOTTOM w0.508: C45.1 54.41,42.1 C34.1 54.72,43.1 C54.1 ; C130.1 55.6,41.72 v1(55.59,41.73) 55.29,42.03 v1(55.09,42.03)
  vias: v1(41.95,44.09) v1(42.45,44.62) v1(42.53,43.53) v1(42.86,45.11) v1(42.91,44.16) v1(43.34,43.5) v1(43.32,42.89) v1(43.41,45.09) v1(64.22,44.16) v1(64.18,43.62) v1(64.52,43.26) v1(64.7,43.93) v1(64.95,42.99) v1(65.05,43.56) v1(65.34,42.61) v1(65.47,43.1) v1(65.78,42.32) v1(65.93,42.82)
VDD-CPULFB: length 69.9
  TOP w0.127: U1.T25 42.99,42.65 v1(43.34,42.3) ; UP7.49 v1(80.9,45.22)
  L3 w0.127: v1(46.21,31.37) 46.21,31.38 46.21,31.93 46.63,32.35 49.2,32.35 53.89,27.65 54.88,27.65 55.16,27.93 56.4,27.93 56.89,27.93 56.9,27.93 71.69,27.93 73.57,26.04 74.69,26.04 75.09,26.44 75.09,29.37 75.63,29.91 v1(75.63,30.8)
  L4 w0.127: v1(76.61,39.76) 80.18,39.76 80.43,40.02 80.43,44.16 80.9,44.63 v1(80.9,45.22)
  BOTTOM w0.114: 43.19,39.74 43.19,34.45
  BOTTOM w0.127: v1(46.21,31.37) 46.21,31.38 46.21,32.14 44.77,33.58 44.07,33.58 43.19,34.45 ; v1(76.61,39.76) 76.06,39.21 76.06,31.23 v1(75.63,30.8) ; 43.19,39.74 43,39.93 43,41.97 v1(43.34,42.3)
VDD-CPUS: length 15.3
  TOP w0.254: U1.V23 41.72,43.65 41.55,43.48 v1(41.46,43.48)
  BOTTOM w0.178: 42.76,39.66 42.72,39.71 42.72,39.92 42.74,39.94 42.74,42.51 42.75,42.52 42.75,42.82 42.72,42.85 42.72,42.89 42.53,43.07 41.82,43.07 41.46,43.43 v1(41.46,43.48)
  BOTTOM w0.381: RP33.2 45.24,31.21 45.24,32 45.23,32.07 C23.1 45.22,32.13 45.22,32.38 44.7,32.9 C22.1
  BOTTOM w0.406: 42.76,39.66 42.76,34.17 44.03,32.9 C22.1
VDD-DRAM: length 3.3
  TOP w0.203: U1.AB13 U1.AA14
  TOP w0.254: U1.AB21 U1.AB20
  TOP w0.305: U1.AB21 39.89,44.62 v1(39.45,44.62) ; U1.AB20 v1(39.45,45.15)
  BOTTOM w0.203: v1(40.9,47.11) 40.27,47.11 40.15,46.99 ; 40.09,46.92 39.9,46.73 C134.1
  vias: v1(32.24,59.92) v1(32.25,60.42) v1(32.85,60.43) v1(32.78,59.93) v1(40.89,47.62)
VDD-GPU: length 8.4
  BOTTOM w0.203: C43.1 36.83,41.17 37.07,41.41 37.07,42.05 C53.1 ; C42.1 35.46,37.49 v1(36.34,37.49)
  BOTTOM w0.254: v1(40.4,45.69) 40.46,45.63 C44.1 ; C44.1 40.79,45.38 v1(40.89,45.27) ; C44.1 40.79,46 v1(40.93,46.14) v1(40.47,46.6)
  BOTTOM w0.305: C53.1 37.76,42.14 37.81,42.08 v1(37.86,42.08) 37.9,42.12 v1(37.9,42.6) ; C43.1 36.9,41.05 C52.1 ; v1(36.34,37.49) 36.34,37.82 36.02,38.14 C276.1 35.36,37.4 C42.1
  vias: v1(74.95,31.97) v1(74.97,31.39) v1(75.5,32.24) v1(75.5,31.67)
VDD-GPUFB: length 43.8
  TOP w0.114: U1.W17 41.42,46.26 v1(41.47,46.22)
  L3 w0.127: v1(41.47,46.22) 41.93,46.22 42.33,45.82 43.39,45.82 44.05,46.49 45.02,46.49 45.26,46.25 45.43,46.25 45.65,46.04 46.16,46.04 46.17,46.03 50.75,46.03 51.74,47.02 53.09,47.02 53.1,47 53.12,47 53.49,46.63 65.42,46.63 68,49.21 71.95,49.21 74.58,46.58 v1(79.26,46.58)
  BOTTOM w0.127: v1(79.26,46.58) 80.02,46.58 80.16,46.45 RP438.1
